# KiCad board AFP_K5172.kicad_pcb (continued)
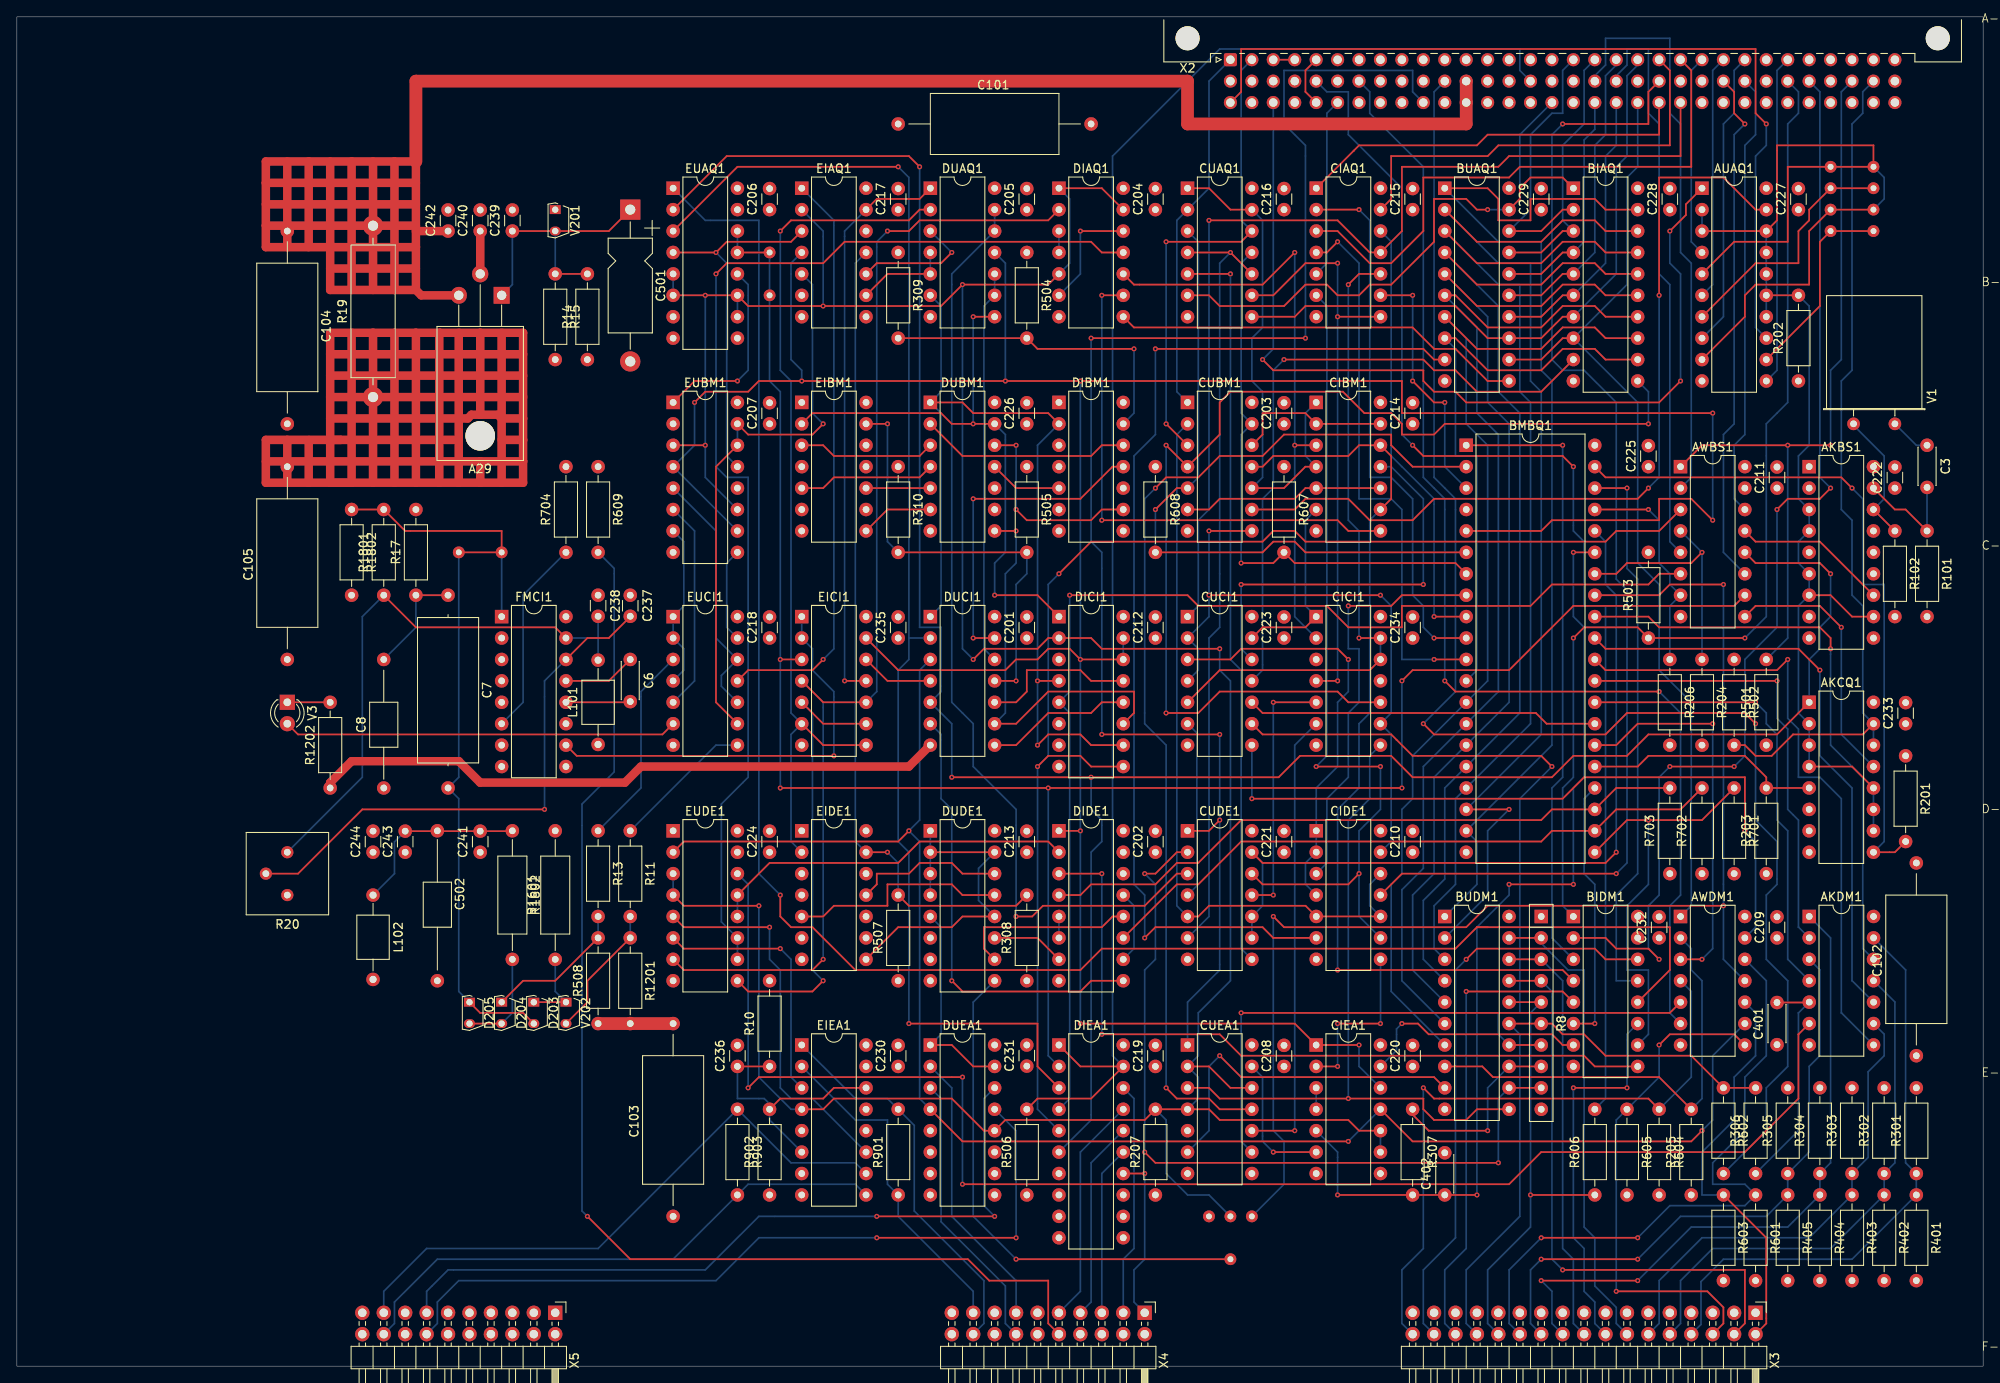
[diagram p0: board, top side]
## Routing (per net, layer and track width the routed paths; a pad name or vN(x,y) marks a point on that pad's centre or on a via; arc(x,y) is an arc through that point) (continued)
PLL5PM: length 146
  Top w0.2: X4.10 122.22,5.06 122.22,10.14 115.23,10.14 112.69,12.68 72.69,12.68 v1(67.61,17.76)
  Bottom w0.2: v1(67.61,17.76) 66.97,18.4 66.97,66.66 70.78,70.47 70.78,94.59 R609.2
PRCLK: length 61.6
  Top w0.2: X2.b24 203.5,151.11 203.5,148.57 v1(204.76,147.3)
  Bottom w0.2: AWBS1.11 202.22,96.5 202.22,110.47 203.5,111.74 203.5,146.03 v1(204.76,147.3)
PRDATA: length 68.1
  Bottom w0.2: X2.b19 189.53,153.01 190.79,154.28 190.79,156.19 193.34,156.19 193.34,148.57 194.6,147.3 194.6,129.52 195.88,128.25 195.88,97.77 AWBS1.5
PRG: length 68.5
  Top w0.2: v1(171.75,48.24) 173.01,49.51 186.98,49.51 188.25,48.24 BIDM1.14
  Bottom w0.2: v1(171.75,48.24) 170.47,46.97 170.47,15.22 166.66,11.41 166.66,5.06 X3.32
PWCLK: length 52.9
  Bottom w0.2: AWBS1.14 203.5,102.85 203.5,109.2 204.76,110.47 204.76,144.76 206.03,146.03 206.03,151.11 X2.b25
PWDATA: length 45.3
  Top w0.2: v1(184.44,33) v1(190.79,33)
  Bottom w0.2: v1(184.44,33) 184.44,15.22 185.72,13.95 185.72,8.87 186.98,7.6 186.98,5.06 X3.16 ; v1(190.79,33) 190.79,39.35 BIDM1.11
PWG: length 55.4
  Top w0.2: BIDM1.5 183.18,44.43 v1(171.75,44.43)
  Bottom w0.2: v1(171.75,44.43) 171.75,13.95 169.21,11.41 169.21,5.06 X3.30
Net-(A29-ADJ): length 32.1
  Top w0.2: R15.1 R14.2 ; C239.1 V201.2 70.14,134.6 C501.1
  Bottom w0.2: C239.1 58.72,128.25 A29.1 ; V201.2 R15.1
Net-(AKBS1-OSC): length 18.4
  Top w0.2: AWBS1.13 206.03,97.77 213.66,97.77 AKBS1.12
Net-(AKBS1-X1): length 13.6
  Top w0.2: R101.1 223.82,101.58 222.54,101.58 AKBS1.17
  Bottom w0.2: R101.1 C3.2
Net-(AKBS1-X2): length 15.8
  Top w0.2: AKBS1.16 R102.1
  Bottom w0.2: AKBS1.16 221.28,102.85 221.28,107.93 217.65,111.56 V1.2
Net-(AKDM1-Pad5): length 26.8
  Top w0.2: AKDM1.5 212.35,43.12 C401.2
  Bottom w0.2: AKDM1.5 211.12,41.89 211.12,41.89 211.12,27.92 R306.1
Net-(AUAQ1-Pad19): length 101.8
  Top w0.2: AUAQ1.19 206.03,137.14 202.22,140.95 194.6,140.95 v1(194.6,126.98) ; CUBM1.9 151.43,101.58 152.69,102.85 157.78,102.85 160.31,100.31 165.4,100.31 167.94,102.85 192.06,102.85 v1(193.34,104.12)
  Bottom w0.2: v1(194.6,126.98) 194.6,105.39 v1(193.34,104.12)
Net-(AWBS1-0): length 30
  Top w0.2: v1(199.69,96.5) 198.41,95.23 190.79,95.23 189.53,93.96 BMBQ1.34
  Bottom w0.2: AWBS1.4 v1(199.69,96.5) R204.1
Net-(AWBS1-1): length 26.2
  Top w0.2: v1(193.34,101.58) BMBQ1.37
  Bottom w0.2: v1(193.34,101.58) 194.6,100.31 194.6,95.23 195.88,93.96 195.88,92.69 AWBS1.7 195.88,90.15 R206.1
Net-(AWBS1-2): length 31.1
  Top w0.2: AWBS1.9 206.03,90.15 213.66,90.15 v1(216.2,87.61)
  Bottom w0.2: AKCQ1.13 216.2,74.91 v1(216.2,87.61)
Net-(AWDM1-Pad5): length 69.6
  Top w0.2: v1(145.07,41.89) 195.88,41.89 AWDM1.5
  Bottom w0.2: CUEA1.9 145.07,26.65 v1(145.07,41.89)
Net-(AWDM1-Pad13): length 85.9
  Top w0.2: v1(146.34,67.29) 183.18,67.29 185.72,69.83 204.76,69.83 v1(204.76,63.48)
  Bottom w0.2: AWDM1.13 206.03,52.05 206.03,62.21 v1(204.76,63.48) ; CUCI1.8 v1(146.34,67.29)
Net-(BIAQ1-CS): length 77.1
  Top w0.2: v1(150.16,119.36) 166.66,119.36 167.94,118.09 170.47,118.09 173.01,115.55 180.63,115.55 BIAQ1.9
  Bottom w0.2: v1(150.16,119.36) 148.88,118.09 148.88,104.12 147.62,102.85 147.62,82.53 CUCI1.11
Net-(BIAQ1-STB): length 131.8
  Top w0.2: v1(136.19,77.45) 140,77.45 142.53,79.99 156.5,79.99 157.78,78.72 CICI1.10 ; v1(193.34,111.74) 169.21,111.74 167.94,110.47 164.12,110.47 164.12,111.74 162.85,113.01 159.68,113.01 157.14,115.55 143.81,115.55 142.53,114.28 142.53,110.47 CUBM1.4 v1(136.19,109.2)
  Bottom w0.2: BIAQ1.11 193.34,115.55 v1(193.34,111.74) ; v1(136.19,109.2) v1(136.19,77.45)
Net-(BIDM1-0): length 110.1
  Top w0.2: CIBM1.9 162.85,102.85 162.85,107.93 CIBM1.12 159.04,109.2 157.78,107.93 148.88,107.93 147.62,106.66 CUBM1.11 ; BIDM1.4 183.18,46.97 v1(156.5,46.97)
  Bottom w0.2: v1(156.5,46.97) 156.5,66.02 159.04,68.56 159.04,76.18 160.31,77.45 160.31,100.31 CIBM1.9
Net-(BIDM1-1): length 27.5
  Top w0.2: v1(164.12,40.62) 166.03,40.62 167.3,39.35 181.91,39.35 183.18,38.08 BIDM1.7
  Bottom w0.2: v1(164.12,40.62) 163.49,39.98 163.49,37.44 CIEA1.13
Net-(BIDM1-2): length 89.2
  Top w0.2: BIDM1.9 186.98,35.54 185.72,36.81 145.07,36.81 142.53,39.35 v1(128.56,39.35) ; DIDE1.3 v1(128.56,58.4)
  Bottom w0.2: v1(128.56,58.4) v1(128.56,39.35)
Net-(BIDM1-3): length 217.2
  Top w0.2: 174.28,52.05 173.01,52.05 ; 173.01,52.05 195.88,52.05 195.88,46.97 BIDM1.12 ; 173.01,52.05 170.47,49.51 128.56,49.51 126.03,46.97 99.35,46.97 94.28,52.05 91.73,52.05 90.47,53.32 v1(90.47,55.86)
  Bottom w0.2: EUAQ1.1 81.58,135.87 87.93,135.87 87.93,58.4 v1(90.47,55.86)
Net-(BIDM1-B0): length 74
  Top w0.2: v1(183.18,109.2) BMBQ1.1
  Bottom w0.2: v1(183.18,109.2) 183.18,69.83 181.91,68.56 181.91,50.78 BIDM1.3
Net-(BIDM1-B1): length 31.5
  Top w0.2: v1(186.98,40.62) BIDM1.6
  Bottom w0.2: BMBQ1.24 185.72,67.29 185.72,58.4 186.98,57.13 v1(186.98,40.62)
Net-(BIDM1-B2): length 50.5
  Top w0.2: BMBQ1.21 190.79,64.75 v1(193.34,64.75) 199.69,64.75 R701.1
  Bottom w0.2: BIDM1.10 193.34,39.35 193.34,46.97 190.79,46.97 190.79,54.59 193.34,57.13 v1(193.34,64.75)
Net-(BIDM1-B3): length 66.3
  Top w0.2: v1(190.79,104.12) BMBQ1.38
  Bottom w0.2: BIDM1.13 189.53,45.7 189.53,55.86 192.06,58.4 192.06,93.33 190.79,94.59 v1(190.79,104.12)
Net-(BMBQ1-A0): length 52.2
  Top w0.2: v1(167.94,88.88) BMBQ1.9
  Bottom w0.2: v1(167.94,88.88) 167.94,102.85 162.85,107.93 162.85,133.34 CIAQ1.12
Net-(BMBQ1-A1): length 64.9
  Top w0.2: CIAQ1.2 159.04,137.14 v1(159.04,137.14) ; v1(167.94,86.34) BMBQ1.10
  Bottom w0.2: v1(167.94,86.34) 166.66,87.61 166.66,90.15 165.4,91.42 165.4,102.85 162.85,105.39 160.31,105.39 160.31,135.87 v1(159.04,137.14)
Net-(BMBQ1-A2): length 65.6
  Top w0.2: CIAQ1.4 155.24,132.06 v1(156.5,133.33) ; BMBQ1.11 v1(167.94,83.8)
  Bottom w0.2: v1(156.5,133.33) 159.04,130.79 159.04,102.85 162.85,102.85 164.12,101.58 164.12,83.8 v1(167.94,83.8)
Net-(BMBQ1-CS): length 49.6
  Top w0.2: BMBQ1.8 164.12,91.42 162.85,90.15 v1(157.78,90.15)
  Bottom w0.2: v1(157.78,90.15) 157.78,85.07 159.04,85.07 159.04,78.72 157.78,77.45 157.78,69.83 155.23,67.29 155.23,59.66 153.97,58.41
Net-(BMBQ1-DIR): length 46
  Top w0.2: v1(199.69,48.24) AWDM1.3 ; BMBQ1.26 189.53,73.64 192.06,76.18 v1(200.96,76.18)
  Bottom w0.2: v1(200.96,76.18) 200.96,49.51 v1(199.69,48.24)
Net-(BMBQ1-DRQBF): length 94.6
  Top w0.2: v1(189.53,60.94) 188.25,59.67 147.62,59.67 CUDE1.13
  Bottom w0.2: BMBQ1.36 188.25,97.77 188.25,92.69 189.53,91.42 v1(189.53,60.94) ; CUDE1.9 CUDE1.10 147.62,54.59 147.62,59.67 CUDE1.13
Net-(BMBQ1-ENDS): length 69.2
  Top w0.2: BMBQ1.32 193.34,88.88 194.6,87.61 213.66,87.61 214.92,86.34 v1(214.92,85.07)
  Bottom w0.2: v1(214.92,85.07) 214.92,73.64 218.73,69.83 218.73,49.51 218.75,49.51 220.02,48.25
Net-(BMBQ1-INDEX): length 53.7
  Top w0.2: v1(208.57,81.26) BMBQ1.29
  Bottom w0.2: AKDM1.2 211.13,52.05 211.12,52.05 211.12,64.75 209.84,66.02 209.84,75.55 208.57,76.81 v1(208.57,81.26)
Net-(BMBQ1-INT): length 30
  Top w0.2: v1(165.4,116.82) 167.94,114.28 v1(169.21,114.28) ; CIAQ1.9 165.39,126.98 v1(165.4,126.98)
  Bottom w0.2: v1(169.21,114.28) 169.21,106.66 BMBQ1.3 ; v1(165.4,116.82) v1(165.4,126.98)
Net-(BMBQ1-R): length 378.2
  Top w0.2: v1(126.03,63.48) DIDE1.1 ; EICI1.13 104.44,82.53 117.13,82.53 118.41,83.8 120.94,83.8 122.22,85.07 124.75,85.07 v1(126.03,83.8) DICI1.14 ; v1(159.04,38.08) CIEA1.1 151.43,40.62 v1(126.03,40.62) ; v1(200.96,100.31) 198.41,102.85 194.6,102.85 194.6,100.31 181.91,100.31 180.63,99.04 BMBQ1.5 ; v1(200.96,113.01) 164.12,113.01 164.12,116.82 v1(126.03,116.82) v1(117.13,116.82) v1(93,116.82) 87.93,116.82 86.66,115.55 81.58,115.55 v1(80.3,114.28)
  Bottom w0.2: v1(126.03,40.62) v1(126.03,63.48) v1(126.03,83.8) v1(126.03,116.82) ; CIEA1.12 159.04,35.54 v1(159.04,38.08) ; v1(80.3,114.28) 80.3,109.2 EUBM1.4 EUBM1.10 ; DUAQ1.11 117.13,130.79 v1(117.13,116.82) ; v1(200.96,113.01) v1(200.96,100.31) ; v1(93,116.82) 93,118.09 91.73,119.36 91.73,130.79 EIAQ1.4 ; DICI1.14 DICI1.15
Net-(BMBQ1-RBF): length 125.7
  Top w0.2: CUEA1.11 142.53,30.46 141.26,31.73 137.46,31.73 v1(136.19,33) ; BMBQ1.2 165.4,106.66 162.85,109.2 162.85,110.47 150.16,110.47 147.62,107.93 142.53,107.93 140,105.39 136.19,105.39 v1(134.91,104.12)
  Bottom w0.2: v1(134.91,104.12) 133.65,102.85 133.65,76.18 136.19,73.64 v1(136.19,33)
Net-(BMBQ1-RD): length 79.4
  Top w0.2: R608.2 147.62,96.5 148.88,97.77 151.43,97.77 152.69,96.5 BMBQ1.6 ; v1(134.91,101.58) 137.46,104.12 CUBM1.5
  Bottom w0.2: R608.2 v1(134.91,101.58) ; CUBM1.5 140,105.39 140,133.33 CUAQ1.3
Net-(BMBQ1-RDC): length 81.7
  Top w0.2: AKCQ1.9 222.54,60.94 223.18,61.57 ; BMBQ1.39 188.25,105.39 216.2,105.39 v1(217.47,104.12)
  Bottom w0.2: AKCQ1.9 221.28,62.21 221.28,92.69 218.73,92.69 218.73,102.85 v1(217.47,104.12)
Net-(BMBQ1-RDYBF): length 114.2
  Top w0.2: v1(176.82,57.13) v1(184.44,57.13) ; v1(156.5,20.3) v1(173.01,20.3) ; v1(184.44,96.5) BMBQ1.35
  Bottom w0.2: v1(184.44,57.13) 184.44,68.56 185.72,69.83 185.72,87.61 184.44,88.88 v1(184.44,96.5) ; v1(176.82,57.13) 176.82,55.86 173.01,52.05 v1(173.01,20.3) ; v1(156.5,20.3) 156.5,25.38 CIEA1.5
Net-(BMBQ1-RDYDR): length 54.7
  Top w0.2: v1(206.03,78.72) BMBQ1.28
  Bottom w0.2: AKDM1.4 209.86,48.24 209.84,48.24 209.84,63.48 208.57,64.75 208.57,74.91 207.31,76.18 207.31,77.45 v1(206.03,78.72)
Net-(BMBQ1-STEP): length 41.7
  Top w0.2: CUCI1.10 147.62,77.45 180,77.45 181.27,76.18 BMBQ1.27
Net-(BMBQ1-WR): length 66.7
  Top w0.2: BMBQ1.7 170.47,95.23 151.43,95.23 R607.2 148.88,95.23 v1(145.07,95.23)
  Bottom w0.2: CUAQ1.11 145.07,130.79 145.07,113.01 CUBM1.13 145.07,110.47 v1(145.07,95.23)
Net-(BMBQ1-WRC): length 28.2
  Top w0.2: AKCQ1.5 R203.2 207.31,69.83 204.76,72.37 193.34,72.37 192.06,71.1 BMBQ1.25
Net-(BMBQ1-WREAR): length 77.7
  Top w0.2: DIDE1.4 126.03,55.86 127.29,57.13 134.91,57.13 137.46,59.67 140,59.67 145.07,64.75 180.63,64.75 181.91,66.02 BMBQ1.23 189.53,68.56 R703.2
Net-(BMBQ1-WRER): length 75.3
  Top w0.2: v1(209.84,83.8) 208.57,82.53 188.25,82.53 BMBQ1.30
  Bottom w0.2: v1(209.84,83.8) 209.84,76.81 211.12,75.55 211.12,69.83 213.66,69.83 216.2,67.29 216.2,41.89 216.21,41.89 220.02,38.09
Net-(BMBQ1-WRLAT): length 75.9
  Top w0.2: R702.2 197.15,66.02 189.53,66.02 BMBQ1.22 181.91,63.48 180.63,62.21 145.07,62.21 140,57.13 137.46,57.13 DIDE1.11
Net-(BMBQ1-WRMIN): length 156.4
  Top w0.2: v1(202.22,54.59) 174.28,54.59 171.75,52.05 150.16,52.05 v1(148.88,53.32) ; BMBQ1.33 194.6,91.42 195.88,92.69 v1(202.22,92.69)
  Bottom w0.2: X7.1.1 150.16,21.57 150.16,26.65 148.88,27.92 v1(148.88,53.32) ; v1(202.22,92.69) v1(202.22,54.59) 202.22,48.24 AWDM1.11
Net-(BMBQ1-ZT): length 70.3
  Top w0.2: v1(213.66,82.53) 211.12,85.07 188.25,85.07 BMBQ1.31
  Bottom w0.2: AKDM1.10 217.48,45.7 217.47,45.7 217.47,68.56 213.66,72.37 v1(213.66,82.53)
Net-(BUAQ1-CS): length 128.3
  Top w0.2: v1(133.65,50.78) 134.91,52.05 147.62,52.05 148.88,50.78 148.89,50.78 CIDE1.6 ; 168.57,119.36 BUAQ1.9 167.94,119.36 166.66,120.63 v1(134.91,120.63)
  Bottom w0.2: v1(133.65,50.78) 133.65,55.86 132.38,57.13 132.38,107.93 134.91,110.47 v1(134.91,120.63)
Net-(BUAQ1-STB): length 48.9
  Top w0.2: DIAQ1.8 132.38,123.17 165.4,123.17 167.94,120.63 170.47,120.63 174.28,116.82 BUAQ1.11
Net-(BUDM1-CS): length 41.3
  Top w0.2: BUDM1.9 167.94,34.27 145.07,34.27 v1(142.53,36.81)
  Bottom w0.2: CUEA1.6 141.26,27.92 141.26,35.54 v1(142.53,36.81)
Net-(BUDM1-DI7): length 53.2
  Top w0.2: BUDM1.8 173.65,35.54 174.92,34.27 194.6,34.27 R205.2
  Bottom w0.2: R205.2 199.69,31.73 199.69,45.7 198.41,46.97 198.41,49.51 AWDM1.2
Net-(BUDM1-DO5): length 79.1
  Top w0.2: BUDM1.14 R8.7 ; v1(181.91,71.1) 180.63,72.37 165.4,72.37 162.85,74.91 147.62,74.91 CUCI1.9
  Bottom w0.2: BUDM1.14 175.56,39.35 175.56,41.89 178.09,41.89 178.09,67.29 v1(181.91,71.1)
Net-(BUDM1-DO6): length 22.2
  Top w0.2: BUDM1.13 R8.8 ; 165.4,29.82 167.3,27.92 v1(174.28,27.92)
  Bottom w0.2: v1(174.28,27.92) 174.28,33 BUDM1.13
Net-(BUDM1-DO7): length 95.9
  Top w0.2: BUDM1.12 R8.9 ; v1(133.65,25.38) 134.91,24.11 v1(175.56,24.11) ; v1(133.65,58.4) 134.91,58.4 137.46,60.94 CUDE1.2
  Bottom w0.2: v1(133.65,58.4) 134.91,57.13 134.91,48.24 133.65,46.97 v1(133.65,25.38) ; v1(175.56,24.11) 175.56,31.73 BUDM1.12
Net-(BUDM1-STB): length 84.4
  Top w0.2: CUEA1.3 141.26,33 142.53,31.73 v1(157.78,31.73) 166.66,31.73 166.66,30.46 167.94,29.19 171.75,29.19 173.01,30.46 BUDM1.11
  Bottom w0.2: CICI1.8 160.31,72.37 160.31,67.29 157.78,64.75 v1(157.78,31.73)
Net-(C3-Pad1): length 4.9
  Bottom w0.2: C3.1 225.09,109.2 V1.1
Net-(C6-Pad1): length 8.7
  Top w0.2: C6.1 70.14,81.26 FMCI1.13
Net-(C6-Pad2): length 7.6
  Top w0.2: FMCI1.12 72.69,78.72
Net-(C7-Pad1): length 13
  Top w0.2: R17.1 C7.1
  Bottom w0.2: C8.2 47.28,87.61 R17.1
Net-(C238-Pad2): length 67.8
  Top w0.2: FMCI1.15 63.8,87.61 47.28,87.61 R1801.1
  Bottom w0.2: 68.88,86.34 68.88,83.8 ; 68.88,86.34 68.88,88.88 ; 68.88,86.34 FMCI1.15 ; R1801.1 40.94,88.88 40.94,69.83 R20.1
Net-(C241-Pad2): length 21.9
  Top w0.2: R1602.1 58.67,63.44 C243.2
  Bottom w0.2: C243.2 44.75,62.17 44.75,58.4 L102.1
Net-(CIAQ1-Pad6): length 100.7
  Top w0.2: v1(159.04,58.4) 157.78,57.13 147.62,57.13 CUDE1.12 ; v1(153.97,71.1) v1(161.59,71.1)
  Bottom w0.2: v1(161.59,71.1) 161.59,66.02 159.04,63.48 v1(159.04,58.4) 159.04,53.32 159.06,53.32 CIDE1.9 ; CIAQ1.6 155.23,125.72 155.23,72.37 v1(153.97,71.1)
Net-(CIAQ1-Pad10): length 76.8
  Top w0.2: CUCI1.5 142.53,82.53 160.31,82.53 CICI1.12 ; CIAQ1.10 160.32,129.52 160.31,129.52 159.04,129.52 v1(157.78,128.25) ; v1(159.04,86.34) CICI1.13
  Bottom w0.2: CICI1.13 CICI1.12 ; v1(159.04,86.34) 159.04,99.04 157.78,100.31 v1(157.78,128.25)
Net-(CIBM1-Pad3): length 71.7
  Top w0.2: DIAQ1.10 132.38,128.25 147.62,128.25 v1(151.43,132.06) ; CIBM1.3 v1(151.43,109.2)
  Bottom w0.2: v1(151.43,132.06) 151.43,88.88 CICI1.2
Net-(CIBM1-Pad6): length 22.4
  Top w0.2: CUCI1.13 147.62,87.61 152.69,87.61 CICI1.1
  Bottom w0.2: CICI1.1 152.69,90.15 152.69,100.31 CIBM1.6
Net-(CIBM1-Pad8): length 62.8
  Top w0.2: CIBM1.8 157.78,99.04 156.5,100.31 v1(128.56,100.31) ; v1(128.56,126.98) DIAQ1.9
  Bottom w0.2: v1(128.56,100.31) v1(128.56,126.98)
Net-(CIBM1-Pad10): length 23.9
  Top w0.2: CIBM1.10 CIBM1.5 152.69,104.12 151.43,102.85 142.53,102.85 141.26,101.58 CUBM1.6
Net-(CIBM1-Pad11): length 47.8
  Top w0.2: v1(166.66,92.69) v1(145.07,92.69)
  Bottom w0.2: CUCI1.12 145.07,85.07 v1(145.07,92.69) ; CIBM1.11 162.85,106.66 166.66,102.85 v1(166.66,92.69)
Net-(CIBM1-Pad13): length 18.8
  Top w0.2: CUBM1.12 147.62,110.47 147.62,113.01 152.69,113.01 CIBM1.2 CIBM1.13
Net-(CICI1-Pad5): length 30.5
  Top w0.2: v1(148.88,78.72) CICI1.5 ; CUDE1.11 v1(148.88,55.86)
  Bottom w0.2: v1(148.88,55.86) v1(148.88,78.72)
Net-(CICI1-Pad6): length 54.4
  Top w0.2: v1(151.43,27.92) CUEA1.10
  Bottom w0.2: CICI1.6 151.43,73.64 v1(151.43,27.92)
Net-(CICI1-Pad9): length 77.9
  Top w0.2: v1(161.59,91.42) v1(141.26,91.42) ; v1(141.26,99.04) CUBM1.8
  Bottom w0.2: CIDE1.13 162.85,62.2 162.85,74.91 CICI1.9 162.85,77.45 162.85,90.15 v1(161.59,91.42) ; CUCI1.4 140,82.53 140,85.07 CUCI1.2 141.26,88.88 v1(141.26,91.42) v1(141.26,99.04)
Net-(CIDE1-Pad1): length 50.7
  Top w0.2: CUCI1.3 143.81,83.8 145.07,85.07 156.5,85.07 v1(157.78,83.8)
  Bottom w0.2: v1(157.78,83.8) 157.78,79.99 156.5,78.72 156.5,71.1 153.97,68.56 153.97,68.55 CIDE1.1 CIDE1.2 152.69,59.66 152.69,57.15 153.97,55.87
Net-(CIDE1-Pad8): length 20.3
  Top w0.2: v1(161.59,40.62) v1(156.5,40.62) ; v1(156.5,35.54) CIEA1.2
  Bottom w0.2: v1(156.5,40.62) v1(156.5,35.54) ; 161.59,48.25 161.59,40.63 v1(161.59,40.62)
Net-(CIDE1-Pad10): length 89.5
  Top w0.2: CIDE1.10 CIDE1.5 152.71,54.59 141.26,54.59 140,53.32 CUDE1.5
  Bottom w0.2: CUBM1.2 137.46,110.47 137.46,54.59 CUDE1.5 ; CIDE1.10 160.33,54.59 160.31,54.59 160.31,57.12 161.59,58.41
Net-(CIEA1-Pad3): length 2.5
  Bottom w0.2: CIEA1.3 CIEA1.4
Net-(CIEA1-Pad6): length 16.3
  Top w0.2: v1(148.88,25.38) CIEA1.6
  Bottom w0.2: v1(148.88,25.38) 147.62,26.65 147.62,34.27 CUEA1.13
Net-(CUAQ1A-E): length 61.1
  Top w0.2: CUAQ1.1 141.26,139.68 143.81,137.14 CUAQ1.13 ; CIBM1.4 152.69,106.66 150.16,104.12 CUBM1.10
  Bottom w0.2: CIBM1.1 152.69,113.01 152.69,107.93 CIBM1.4 ; CUBM1.10 147.62,105.39 147.62,115.55 146.34,116.82 146.34,121.9 147.62,123.17 147.62,135.87 CUAQ1.13
Net-(CUAQ1B-D): length 87.4
  Top w0.2: v1(143.81,129.52) CUAQ1.5
  Bottom w0.2: v1(143.81,129.52) 143.81,83.8 145.07,82.53 145.07,49.51 CUDE1.8
Net-(CUAQ1B-E): length 92.1
  Top w0.2: CUAQ1.4 v1(143.81,132.06) CUAQ1.10
  Bottom w0.2: CUDE1.6 141.26,53.32 141.26,86.34 142.53,87.61 142.53,130.79 v1(143.81,132.06)
Net-(CUAQ1C-D): length 68.9
  Top w0.2: v1(156.5,130.79) 152.69,130.79 148.88,126.98 CUAQ1.9 ; v1(156.5,124.44) 156.51,124.44 CIAQ1.8 ; v1(156.5,81.26) CICI1.4
  Bottom w0.2: v1(156.5,130.79) v1(156.5,124.44) v1(156.5,81.26)
Net-(CUCI1-Pad6): length 21.2
  Bottom w0.2: CUDE1.4 139.82,56.96 139.82,75.08 CUCI1.6
Net-(CUDE1-Pad3): length 111.5
  Top w0.2: v1(118.41,53.32) 120.31,53.32 121.58,54.59 133.65,54.59 137.46,58.4 CUDE1.3
  Bottom w0.2: DUAQ1.13 DUAQ1.12 110.78,129.52 110.78,78.72 113.32,76.18 113.32,71.1 118.41,66.02 v1(118.41,53.32)
Net-(D203-A): length 97.7
  Top w0.2: FWCC1.1 FSCC1.1 57.44,99.04 46.02,99.04 R1801.2 R1802.1 ; D205.1 54.91,41.89 59.98,41.89 D203.2
  Bottom w0.2: D205.1 52.36,44.43 52.36,67.29 C7.2 52.36,69.83 FWCC1.1 ; FMCI1.1 FSCC1.1
Net-(D203-K): length 9.4
  Top w0.2: V202.1 D203.1
  Bottom w0.2: V202.1 63.8,44.43 R1601.1
Net-(D204-A): length 12
  Top w0.2: D204.2 D205.2
  Bottom w0.2: D204.2 58.72,41.89 R1602.2
Net-(D204-K): length 17.1
  Top w0.2: D204.1 59.98,45.7 63.8,45.7 R508.2
  Bottom w0.2: R13.2 R508.2
Net-(DIAQ1-Pad3): length 2.5
  Bottom w0.2: DIAQ1.4 DIAQ1.3
Net-(DIAQ1-Pad12): length 13.8
  Top w0.2: v1(126.03,134.6) DIAQ1.12
  Bottom w0.2: DIAQ1.6 126.03,129.52 v1(126.03,134.6)
Net-(DIBM1-3): length 8.7
  Top w0.2: DIBM1.5 118.41,104.12 DUBM1.11
Net-(DIBM1-6): length 23.9
  Top w0.2: DIBM1.9 128.56,101.58 127.29,100.31 119.68,100.31 v1(118.41,101.58) ; DUBM1.12 v1(118.41,109.2)
  Bottom w0.2: v1(118.41,109.2) v1(118.41,101.58)
Net-(DIBM1-8): length 38.4
  Top w0.2: v1(113.32,102.85) 126.03,102.85 129.84,106.66 DIBM1.11 ; v1(113.32,86.34) DUCI1.13
  Bottom w0.2: v1(113.32,102.85) v1(113.32,86.34)
Net-(DIBM1-9): length 25
  Top w0.2: DUBM1.2 112.06,107.93 127.29,107.93 128.56,109.2 DIBM1.12
Net-(DIBM1-10): length 37.9
  Top w0.2: v1(132.38,120.63) 120.94,120.63 R504.2 R309.2
  Bottom w0.2: DIBM1.13 132.38,113.01 v1(132.38,120.63)
Net-(DIBM1-I): length 109.4
  Top w0.2: v1(120.94,73.64) 122.22,74.91 126.03,74.91 127.29,73.64 DICI1.10 ; DIBM1.2 122.22,113.01 113.32,113.01 112.06,114.28 DUBM1.1 ; DICI1.4 v1(120.94,81.26)
  Bottom w0.2: DUAQ1.6 109.51,125.71 109.51,115.55 DUBM1.1 109.51,113.01 109.51,90.15 DUCI1.1 ; DIBM1.2 120.94,109.2 v1(120.94,81.26) v1(120.94,73.64)
Net-(DICI1-Pad11): length 48.9
  Top w0.2: DUCI1.9 118.41,76.18 122.22,79.99 132.38,79.99 132.38,77.45 DICI1.11 ; v1(118.41,99.04) DUBM1.8
  Bottom w0.2: DUCI1.9 117.13,77.45 117.13,93.96 118.41,95.23 v1(118.41,99.04)
Net-(DICI1-Pad12): length 17.3
  Top w0.2: DICI1.12 128.56,78.72 127.29,77.45 122.22,77.45 118.41,73.64 DUCI1.8
Net-(DICI1-Pad13): length 18.8
  Top w0.2: DICI1.13 127.29,81.26 126.03,82.53 119.68,82.53 119.68,79.99 118.41,78.72 DUCI1.10
Net-(DIDE1-C): length 52.9
  Top w0.2: v1(110.78,45.7) 112.06,44.43 126.03,44.43 127.29,45.7 DIDE1.9
  Bottom w0.2: v1(110.78,45.7) 110.78,66.02 109.51,67.29 109.51,74.91 DUCI1.6
Net-(DIDE1-D3): length 2.5
  Bottom w0.2: DIDE1.6 DIDE1.5
Net-(DIDE1-D5): length 8.7
  Bottom w0.2: DIDE1.13 132.38,54.59 132.38,49.51 DIDE1.10
Net-(DIDE1-Q1): length 43.8
  Top w0.2: DIDE1.2 122.22,62.21 106.97,62.21 104.44,59.67 89.19,59.67 EUDE1.13
  Bottom w0.2: EUDE1.12 EUDE1.13
Net-(DIDE1-Q3): length 8.7
  Top w0.2: DUDE1.11 120.94,50.78 DIDE1.7
Net-(DUAQ1-Pad1): length 68.1
  Top w0.2: DUAQ1.1 106.97,138.41 101.9,138.41 EIAQ1.13 ; v1(98.09,81.26) EICI1.11
  Bottom w0.2: EIAQ1.13 98.09,134.6 v1(98.09,81.26)
Net-(DUAQ1-Pad3): length 14.8
  Top w0.2: EIAQ1.10 101.9,130.79 109.51,130.79 v1(110.78,132.06)
  Bottom w0.2: DUAQ1.3 v1(110.78,132.06)
Net-(DUAQ1-Pad4): length 11.2
  Top w0.2: EIAQ1.9 103.16,129.52 DUAQ1.5
  Bottom w0.2: DUAQ1.4 DUAQ1.5
Net-(DUAQ1-Pad10): length 46.8
  Bottom w0.2: DUCI1.12 114.59,85.07 114.59,125.71 DUAQ1.9 DUAQ1.10
Net-(DUCI1-Pad4): length 8.7
  Top w0.2: EICI1.12 103.16,81.26 DUCI1.4
Net-(DUDE1-0): length 41.8
  Top w0.2: DUDE1.12 112.06,53.32 110.78,52.05 104.44,52.05 EIDE1.8 ; DUDE1.15 DUDE1.2
  Bottom w0.2: DUDE1.15 113.96,59.03 113.96,55.22 DUDE1.12 ; DUDE1.4 DUDE1.1
Net-(DUDE1-5): length 18.1
  Top w0.2: DUDE1.14 112.06,58.4 110.78,59.67 106.97,59.67 105.71,58.4 101.9,58.4 101.9,57.13 EIDE1.11
Net-(DUDE1-6): length 26.5
  Top w0.2: EIDE1.5 95.54,53.32 96.81,54.59 103.16,54.59 103.16,57.13 110.78,57.13 112.06,55.86 DUDE1.13
Net-(DUDE1-A1): length 21.4
  Top w0.2: DIDE1.12 129.84,53.32 128.56,52.05 114.59,52.05 114.59,49.51 DUDE1.10
Net-(DUDE1-A2): length 61.6
  Top w0.2: v1(118.41,12.68) X7.3.1
  Bottom w0.2: v1(118.41,12.68) 113.32,17.76 113.32,43.16 DUDE1.9
Net-(DUDE1-Q): length 25
  Top w0.2: DUEA1.1 110.78,38.08 113.32,35.54 DUEA1.15
  Bottom w0.2: DUDE1.5 109.51,52.05 109.51,39.35 DUEA1.1
Net-(EIAQ1-Pad1): length 69.2
  Top w0.2: EUCI1.11 86.66,82.53 94.28,82.53 v1(95.54,83.8)
  Bottom w0.2: v1(95.54,83.8) 96.81,85.07 96.81,135.87 EIAQ1.1
Net-(EIAQ1-Pad5): length 67.7
  Top w0.2: EUCI1.9 82.84,78.72 82.84,106.66 EUBM1.14 ; EUBM1.15 86.66,110.47 94.28,110.47 v1(95.54,111.74)
  Bottom w0.2: v1(95.54,111.74) 94.28,113.01 94.28,128.25 EIAQ1.5 ; EUBM1.14 EUBM1.15
Net-(EIBM1-1): length 16.3
  Top w0.2: EIBM1.3 95.54,109.2 96.81,107.93 106.97,107.93 DUBM1.3
Net-(EIBM1-3): length 16.3
  Top w0.2: EIBM1.5 95.54,104.12 96.81,105.39 106.97,105.39 DUBM1.4
Net-(EIBM1-5): length 8.7
  Top w0.2: EIBM1.8 103.16,101.58 DUBM1.6
Net-(EIBM1-7): length 7.6
  Top w0.2: EIBM1.10 DUBM1.5
Net-(EIBM1-10): length 51.9
  Top w0.2: R310.2 R505.2 ; EIBM1.13 v1(103.16,111.74) ; v1(118.41,81.26) DUCI1.11
  Bottom w0.2: v1(103.16,111.74) 103.16,97.77 R310.2 ; v1(118.41,81.26) 118.41,92.69 119.68,93.96 R505.2
Net-(EIBM1-I): length 69.2
  Top w0.2: EIBM1.2 94.28,113.01 109.51,113.01 110.78,111.74 v1(113.32,111.74) DUBM1.13 ; DUAQ1.8 v1(113.32,124.44) ; v1(115.87,91.42) 120.94,91.42 DICI1.1
  Bottom w0.2: DUBM1.13 117.13,110.47 117.13,96.5 115.87,95.23 v1(115.87,91.42) ; v1(113.32,124.44) v1(113.32,111.74)
Net-(EIDE1-10): length 96.6
  Top w0.2: EIDE1.13 v1(103.16,60.94) ; R507.2 105.71,54.59 118.41,54.59 R308.2
  Bottom w0.2: v1(103.16,60.94) 104.44,59.67 R507.2 ; EIAQ1.11 99.35,130.79 99.35,62.21 EIDE1.13
Net-(EIDE1-I): length 103.3
  Top w0.2: DUAQ1.2 106.97,137.14 105.71,135.87 91.73,135.87 v1(90.47,134.6) ; EICI1.6 95.54,73.64 EICI1.8
  Bottom w0.2: v1(90.47,134.6) 90.47,118.09 91.73,116.82 91.73,77.45 EICI1.6 91.73,74.91 91.73,62.21 EIDE1.2
Net-(EIEA1-1Y): length 30.8
  Top w0.2: v1(90.47,49.51) 79.03,49.51 EUDE1.6
  Bottom w0.2: EIEA1.3 91.73,34.27 91.73,48.24 v1(90.47,49.51)
Net-(EIEA1-2A): length 31.5
  Top w0.2: R902.2 90.47,31.73 95.54,31.73 96.81,33 EIEA1.14 ; C236.1 R10.1
  Bottom w0.2: EIEA1.6 89.19,29.19 89.19,31.09 88.56,31.73 85.38,31.73 C236.1
Net-(EIEA1-4Y): length 44.8
  Top w0.2: v1(89.19,52.05) 79.03,52.05 EUDE1.5
  Bottom w0.2: EIEA1.11 94.28,31.73 91.73,31.73 90.47,33 90.47,46.97 89.19,48.24 v1(89.19,52.05)
Net-(EUAQ1-0): length 42.7
  Top w0.2: EIAQ1.3 91.73,133.33 84.12,133.33 v1(82.84,132.06) EUAQ1.4
  Bottom w0.2: EUBM1.13 84.12,107.93 84.12,130.79 v1(82.84,132.06)
Net-(EUAQ1-3): length 22.4
  Top w0.2: EUBM1.1 80.3,116.82 v1(85.38,116.82)
  Bottom w0.2: v1(85.38,116.82) 86.66,118.09 86.66,128.25 EUAQ1.12
Net-(EUBM1-Pad5): length 30.1
  Bottom w0.2: EUBM1.5 82.84,99.04 82.84,86.34 EUCI1.12 83.48,81.89 83.48,80.62 EUCI1.10
Net-(EUBM1-Pad6): length 25
  Bottom w0.2: EUBM1.6 80.3,99.04 80.3,81.26 EUCI1.5
Net-(EUBM1-Pad7): length 19.9
  Bottom w0.2: EUBM1.7 79.03,97.77 79.03,90.15 EUCI1.1 EUCI1.2 79.03,85.07 79.03,82.53 EUCI1.4
Net-(EUBM1-Pad9): length 11.2
  Bottom w0.2: EUBM1.9 84.12,95.23 84.12,87.61 EUCI1.13
Net-(EUCI1-Pad3): length 24
  Bottom w0.2: R13.1 73.95,68.56 73.95,79.99 EUCI1.3
Net-(EUCI1-Pad8): length 16.9
  Bottom w0.2: R11.1 82.84,73.64 EUCI1.8
Net-(EUDE1-1Y): length 139.9
  Top w0.2: v1(95.54,48.24) 94.28,46.97 79.03,46.97 EUDE1.7 ; DIAQ1.2 122.22,135.87 106.97,135.87 105.71,134.6 v1(103.16,134.6) ; EICI1.4 95.54,78.72 EICI1.10
  Bottom w0.2: EICI1.4 95.54,78.72 v1(95.54,48.24) ; v1(103.16,134.6) 101.9,133.33 101.9,79.99 EICI1.10
Net-(EUDE1-2C0): length 136.8
  Top w0.2: v1(82.84,129.52) 84.12,130.79 95.54,130.79 98.09,133.33 127.29,133.33 128.56,132.06 DIAQ1.11
  Bottom w0.2: v1(82.84,129.52) 82.84,106.66 84.12,105.39 86.66,105.39 86.66,69.83 83.48,66.66 83.48,52.69 EUDE1.11 EUDE1.10
Net-(EUDE1-2Y): length 54
  Top w0.2: EICI1.5 95.54,76.18 EICI1.9 ; v1(95.54,45.7) 94.28,44.43 86.66,44.43 EUDE1.9
  Bottom w0.2: v1(95.54,45.7) 94.28,46.97 94.28,77.45 EICI1.5
Net-(EUDE1-A): length 177.2
  Top w0.2: v1(112.06,21.57) 176.82,21.57 180.63,25.38 204.76,25.38 211.12,31.73 211.12,39.35 211.12,39.35 AKDM1.6 ; v1(86.66,33) 87.93,34.27 v1(112.06,34.27)
  Bottom w0.2: EUDE1.14 86.66,57.13 v1(86.66,33) ; v1(112.06,34.27) v1(112.06,21.57)
Net-(EUDE1-B): length 195.9
  Top w0.2: v1(199.69,27.92) 198.41,26.65 165.4,26.65 CIEA1.11 ; DUEA1.4 112.06,26.65 v1(157.78,26.65) ; EUDE1.2 79.03,62.21 104.44,62.21 v1(105.71,63.48)
  Bottom w0.2: CIEA1.11 v1(157.78,26.65) ; v1(199.69,27.92) 200.96,29.19 200.96,36.81 AWDM1.9 ; DUCI1.3 106.97,82.53 106.97,64.75 v1(105.71,63.48) 106.97,62.21 106.97,31.73 DUEA1.4
Net-(FMCI1A-EN): length 23.5
  Bottom w0.2: R704.1 59.98,91.42 59.98,78.72 FMCI1.6
Net-(FMCI1B-F): length 50.4
  Top w0.2: v1(96.81,72.37) 66.33,72.37 FMCI1.10
  Bottom w0.2: EICI1.1 EICI1.2 94.28,85.07 94.28,82.53 96.81,79.99 v1(96.81,72.37)
Net-(FMCI1B-RA): length 64.7
  Top w0.2: 72.69,88.88 70.14,86.34 67.61,86.34 FMCI1.14 ; R20.2 33.31,58.4 40.94,66.02 v1(62.53,66.02)
  Bottom w0.2: FMCI1.14 62.53,81.26 v1(62.53,66.02)
Net-(V3-A): length 46.8
  Top w0.2: V3.2 33.31,74.91 76.5,74.91 EUCI1.6
Net-(V3-K): length 5.1
  Top w0.2: V3.1 R1202.2
Net-(V202-A): length 15.9
  Top w0.2: V202.2 67.61,43.16 67.61,45.7 R1201.1
  Bottom w0.2: R11.2 R1201.1
Net-(X2-Pin_a3): length 2.5
  Top w0.2: X2.a4 X2.a3
Net-(X2-Pin_b5): length 149.3
  Top w0.2: v1(184.44,106.66) 183.18,107.93 166.66,107.93 v1(165.4,109.2)
  Bottom w0.2: v1(165.4,109.2) 164.12,110.47 164.12,139.68 157.78,146.03 157.78,151.11 155.23,151.11 X2.b5 ; v1(184.44,106.66) 184.44,99.04 185.72,97.77 185.72,90.15 188.25,90.15 188.25,31.73 R606.2
Net-(X2-Pin_b11): length 180
  Top w0.2: v1(206.03,76.18) 204.76,77.45 190.79,77.45 188.25,74.91 167.94,74.91 v1(166.66,76.18)
  Bottom w0.2: v1(206.03,76.18) 206.03,64.75 208.57,62.21 208.57,57.13 207.31,55.86 207.31,48.24 209.84,45.7 209.84,35.54 207.31,33 207.31,27.92 R602.2 ; X2.b11 167.94,151.11 167.94,105.39 170.47,102.85 170.47,79.99 v1(166.66,76.18)

## Copper pours and planes (outline as drawn; the poured copper is in the pictures)
A on In1.Cu: 134.91,149.2 75.86,149.2 75.86,1.88 101.9,1.88 101.9,6.97 107.61,6.97 107.61,1.88 136.82,1.88 136.82,6.97 141.9,6.97 141.9,1.88 156.5,1.88 156.5,6.97 162.22,6.97 162.22,1.88 209.21,1.88 209.21,6.97 214.29,6.97 214.29,1.88 223.82,1.88 223.82,7.6 230.16,7.6 230.16,154.28 225.09,154.28 225.09,158.73 141.26,158.73 141.26,154.92 134.91,154.92
B on In2.Cu: 141.26,158.73 141.26,154.92 136.19,154.92 136.19,158.73 96.81,158.73 96.81,154.92 91.73,154.92 91.73,158.73 7.91,158.73 7.91,154.92 2.2,154.92 2.2,8.23 9.19,8.23 9.19,2.52 28.87,2.52 28.87,15.85 74.59,15.85 74.59,150.47 133.65,150.47 133.65,149.2 75.86,149.2 75.86,14.59 30.14,14.59 30.14,2.52 32.68,2.52 32.68,6.97 37.76,6.97 37.76,2.52 67.61,2.52 67.61,6.97 72.05,6.97 72.05,2.52 89.19,2.52 89.19,8.23 97.45,8.23 97.45,2.52 102.53,2.52 102.53,6.97 107.61,6.97 107.61,2.52 136.82,2.52 136.82,6.97 141.9,6.97 141.9,2.52 157.14,2.52 157.14,6.97 161.59,6.97 161.59,2.52 209.21,2.52 209.21,6.97 214.29,6.97 214.29,2.52 223.82,2.52 223.82,6.97 231.43,6.97 231.43,154.92 225.09,154.92 225.09,158.73
PLL5P on In1.Cu: 91.73,154.92 96.81,154.92 96.81,158.73 133.65,158.73 133.65,150.47 74.59,150.47 74.59,1.88 71.41,1.88 71.41,8.87 66.97,8.87 66.97,1.88 37.12,1.88 37.12,8.87 32.68,8.87 32.68,1.88 9.82,1.88 9.82,12.68 4.1,12.68 4.1,154.92 7.91,154.92 7.91,158.73 91.73,158.73

## Text on the board
F.Silkscreen: K | I | G | E | C | H | A | X | W | U | S | Q | O | M | F | D | B | A- | B- | C- | D- | E- | F-
